# KiCad board output.Panel_R0.5.1_300x300_2layer_step1_Modified.kicad_pcb (continued)
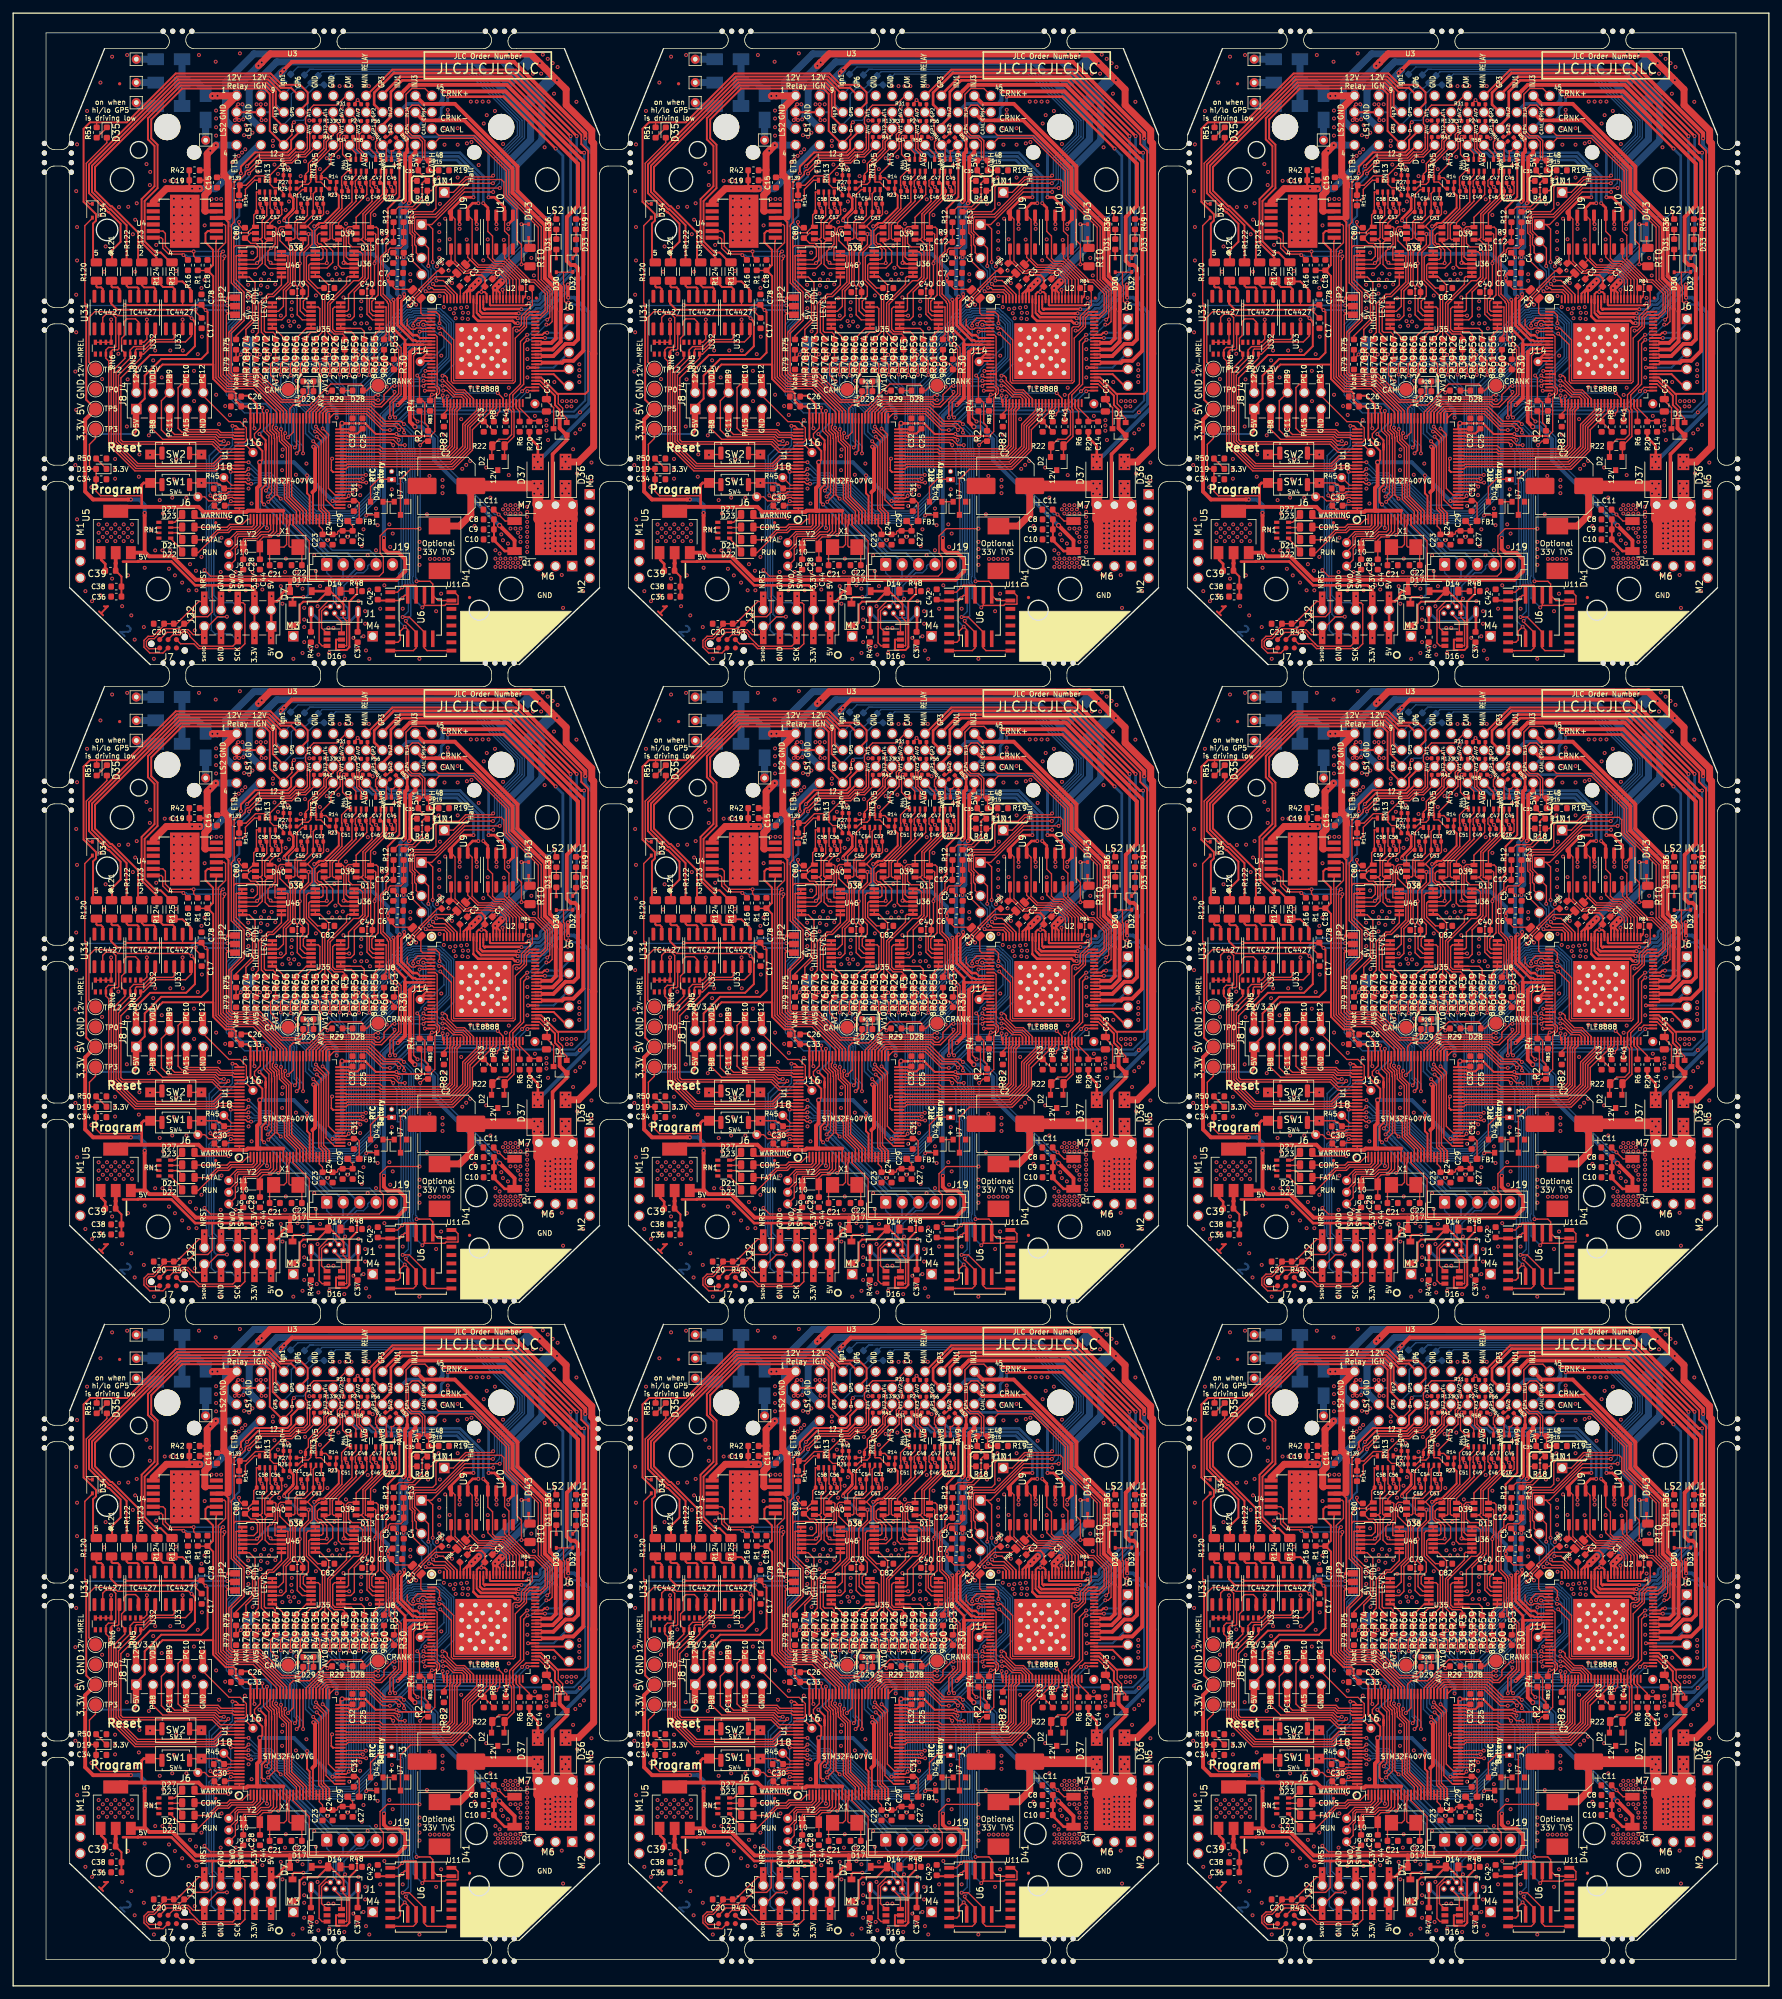
[diagram p0: board, top side]
## Routing (per net, layer and track width the routed paths; a pad name or vN(x,y) marks a point on that pad's centre or on a via; arc(x,y) is an arc through that point) (continued)
/AT1: length 134.4
  Top w0.203: 131.04,278.26 130.78,278.01 ; 216.04,278.26 215.78,278.01 ; 131.04,181.26 130.78,181.01 ; 46.04,181.26 45.78,181.01 ; 216.04,181.26 215.78,181.01 ; 131.04,84.26 130.78,84.01 ; 216.04,84.26 215.78,84.01 ; 46.04,84.26 45.78,84.01 ; 45.78,278.01 46.04,278.26
  Top w0.216: 130.78,278.01 129.9,277.12 129.9,275.95 129.46,275.52 RN3#2.4 129.46,274.36 129.43,274.33 R27#2.1 ; 130.9,284.95 131.01,284.84 132.03,284.84 132.64,284.23 132.64,282.97 132.61,282.94 132.61,281.92 132.99,281.54 132.99,281.34 132.25,280.59 132.25,279.43 131.04,278.26 ; 215.78,278.01 214.9,277.12 214.9,275.95 214.46,275.52 RN3#3.4 214.46,274.36 214.43,274.33 R27#3.1 ; 215.9,284.95 216.01,284.84 217.03,284.84 217.64,284.23 217.64,282.97 217.61,282.94 217.61,281.92 217.99,281.54 217.99,281.34 217.25,280.59 217.25,279.43 216.04,278.26 ; 130.78,181.01 129.9,180.12 129.9,178.95 129.46,178.52 RN3#4.4 129.46,177.36 129.43,177.33 R27#6.1 ; 130.9,187.95 131.01,187.84 132.03,187.84 132.64,187.23 132.64,185.97 132.61,185.94 132.61,184.92 132.99,184.54 132.99,184.34 132.25,183.59 132.25,182.43 131.04,181.26 ; 45.78,181.01 44.9,180.12 44.9,178.95 44.46,178.52 RN3#6.4 44.46,177.36 44.43,177.33 R27#4.1 ; 45.9,187.95 46.01,187.84 47.03,187.84 47.64,187.23 47.64,185.97 47.61,185.94 47.61,184.92 47.99,184.54 47.99,184.34 47.25,183.59 47.25,182.43 46.04,181.26 ; 215.9,187.95 216.01,187.84 217.03,187.84 217.64,187.23 217.64,185.97 217.61,185.94 217.61,184.92 217.99,184.54 217.99,184.34 217.25,183.59 217.25,182.43 216.04,181.26 ; R27#5.1 214.43,177.33 214.46,177.36 RN3#5.4 214.46,178.52 214.9,178.95 214.9,180.12 215.78,181.01 ; 130.78,84.01 129.9,83.12 129.9,81.95 129.46,81.52 RN3#8.4 129.46,80.36 129.43,80.33 R27#9.1 ; 130.9,90.95 131.01,90.84 132.03,90.84 132.64,90.23 132.64,88.97 132.61,88.94 132.61,87.92 132.99,87.54 132.99,87.34 132.25,86.59 132.25,85.43 131.04,84.26 ; 215.9,90.95 216.01,90.84 217.03,90.84 217.64,90.23 217.64,88.97 217.61,88.94 217.61,87.92 217.99,87.54 217.99,87.34 217.25,86.59 217.25,85.43 216.04,84.26 ; R27#8.1 214.43,80.33 214.46,80.36 RN3#7.4 214.46,81.52 214.9,81.95 214.9,83.12 215.78,84.01 ; 45.9,90.95 46.01,90.84 47.03,90.84 47.64,90.23 47.64,88.97 47.61,88.94 47.61,87.92 47.99,87.54 47.99,87.34 47.25,86.59 47.25,85.43 46.04,84.26 ; 45.78,84.01 44.9,83.12 44.9,81.95 44.46,81.52 RN3#9.4 44.46,80.36 44.43,80.33 R27#7.1 ; R27.1 44.43,274.33 44.46,274.36 RN3.4 44.46,275.52 44.9,275.95 44.9,277.12 45.78,278.01 ; 46.04,278.26 47.25,279.43 47.25,280.59 47.99,281.34 47.99,281.54 47.61,281.92 47.61,282.94 47.64,282.97 47.64,284.23 47.03,284.84 46.01,284.84 45.9,284.95
/AT1_MCU: length 264.2
  Top w0.216: U1#2.23 132.09,223.93 131.47,224.54 131.47,234.05 v1(130.63,234.89) ; R67#2.1 R71#2.2 124.16,246.65 124.16,244.94 v1(125.1,244) ; U1#3.23 217.09,223.93 216.47,224.54 216.47,234.05 v1(215.63,234.89) ; R67#3.1 R71#3.2 209.16,246.65 209.16,244.94 v1(210.1,244) ; U1#6.23 132.09,126.93 131.47,127.54 131.47,137.05 v1(130.63,137.89) ; R67#6.1 R71#6.2 124.16,149.65 124.16,147.94 v1(125.1,147) ; U1#4.23 47.09,126.93 46.47,127.54 46.47,137.05 v1(45.63,137.89) ; R67#4.1 R71#4.2 39.16,149.65 39.16,147.94 v1(40.1,147) ; R67#5.1 R71#5.2 209.16,149.65 209.16,147.94 v1(210.1,147) ; v1(215.63,137.89) 216.47,137.05 216.47,127.54 217.09,126.93 U1#5.23 ; R67#8.1 R71#7.2 209.16,52.65 209.16,50.94 v1(210.1,50) ; v1(215.63,40.89) 216.47,40.05 216.47,30.54 217.09,29.93 U1#8.23 ; U1#7.23 47.09,29.93 46.47,30.54 46.47,40.05 v1(45.63,40.89) ; R67#7.1 R71#9.2 39.16,52.65 39.16,50.94 v1(40.1,50) ; U1#9.23 132.09,29.93 131.47,30.54 131.47,40.05 v1(130.63,40.89) ; R67#9.1 R71#8.2 124.16,52.65 124.16,50.94 v1(125.1,50) ; v1(40.1,244) 39.16,244.94 39.16,246.65 R71.2 R67.1 ; v1(45.63,234.89) 46.47,234.05 46.47,224.54 47.09,223.93 U1.23
  Bottom w0.216: v1(130.63,234.89) 129.46,236.06 129.46,239.31 125.1,243.67 v1(125.1,244) ; v1(210.1,244) 210.1,243.67 214.46,239.31 214.46,236.06 v1(215.63,234.89) ; v1(125.1,147) 125.1,146.67 129.46,142.31 129.46,139.06 v1(130.63,137.89) ; v1(45.63,137.89) 44.46,139.06 44.46,142.31 40.1,146.67 v1(40.1,147) ; v1(210.1,147) 210.1,146.67 214.46,142.31 214.46,139.06 v1(215.63,137.89) ; v1(210.1,50) 210.1,49.67 214.46,45.31 214.46,42.06 v1(215.63,40.89) ; v1(45.63,40.89) 44.46,42.06 44.46,45.31 40.1,49.67 v1(40.1,50) ; v1(130.63,40.89) 129.46,42.06 129.46,45.31 125.1,49.67 v1(125.1,50) ; v1(45.63,234.89) 44.46,236.06 44.46,239.31 40.1,243.67 v1(40.1,244)
/AT2: length 108.6
  Top w0.203: 131.66,278.25 131.8,278.39 ; 216.66,278.25 216.8,278.39 ; 131.66,181.25 131.8,181.39 ; 46.66,181.25 46.8,181.39 ; 216.66,181.25 216.8,181.39 ; 131.66,84.25 131.8,84.39 ; 216.66,84.25 216.8,84.39 ; 46.66,84.25 46.8,84.39 ; 46.66,278.25 46.8,278.39
  Top w0.216: 131.8,278.39 132.59,279.25 132.61,279.28 132.61,280.44 133.68,281.51 133.68,282.43 ; R25#2.1 128.39,273.31 129.04,273.96 129.86,273.96 130.26,274.36 RN3#2.3 130.26,275.59 130.26,275.6 130.26,276.86 131.66,278.25 ; 216.8,278.39 217.59,279.25 217.61,279.28 217.61,280.44 218.68,281.51 218.68,282.43 ; R25#3.1 213.39,273.31 214.04,273.96 214.86,273.96 215.26,274.36 RN3#3.3 215.26,275.59 215.26,275.6 215.26,276.86 216.66,278.25 ; 131.8,181.39 132.59,182.25 132.61,182.28 132.61,183.44 133.68,184.51 133.68,185.43 ; R25#6.1 128.39,176.31 129.04,176.96 129.86,176.96 130.26,177.36 RN3#4.3 130.26,178.59 130.26,178.6 130.26,179.86 131.66,181.25 ; 46.8,181.39 47.59,182.25 47.61,182.28 47.61,183.44 48.68,184.51 48.68,185.43 ; R25#4.1 43.39,176.31 44.04,176.96 44.86,176.96 45.26,177.36 RN3#6.3 45.26,178.59 45.26,178.6 45.26,179.86 46.66,181.25 ; R25#5.1 213.39,176.31 214.04,176.96 214.86,176.96 215.26,177.36 RN3#5.3 215.26,178.59 215.26,178.6 215.26,179.86 216.66,181.25 ; 216.8,181.39 217.59,182.25 217.61,182.28 217.61,183.44 218.68,184.51 218.68,185.43 ; 131.8,84.39 132.59,85.25 132.61,85.28 132.61,86.44 133.68,87.51 133.68,88.43 ; R25#9.1 128.39,79.31 129.04,79.96 129.86,79.96 130.26,80.36 RN3#8.3 130.26,81.59 130.26,81.6 130.26,82.86 131.66,84.25 ; R25#7.1 213.39,79.31 214.04,79.96 214.86,79.96 215.26,80.36 RN3#7.3 215.26,81.59 215.26,81.6 215.26,82.86 216.66,84.25 ; 216.8,84.39 217.59,85.25 217.61,85.28 217.61,86.44 218.68,87.51 218.68,88.43 ; 46.8,84.39 47.59,85.25 47.61,85.28 47.61,86.44 48.68,87.51 48.68,88.43 ; 46.66,84.25 45.26,82.86 45.26,81.6 45.26,81.59 RN3#9.3 45.26,80.36 44.86,79.96 44.04,79.96 43.39,79.31 R25#8.1 ; 48.68,282.43 48.68,281.51 47.61,280.44 47.61,279.28 47.59,279.25 46.8,278.39 ; R25.1 43.39,273.31 44.04,273.96 44.86,273.96 45.26,274.36 RN3.3 45.26,275.59 45.26,275.6 45.26,276.86 46.66,278.25
/AT2_MCU: length 262.7
  Top w0.216: v1(125.7,245.03) 125.66,245.07 125.66,246.65 R70#2.2 R66#2.1 ; U1#2.24 132.59,223.95 131.84,224.7 131.84,234.92 v1(131.17,235.59) ; U1#3.24 217.59,223.95 216.84,224.7 216.84,234.92 v1(216.17,235.59) ; v1(210.7,245.03) 210.66,245.07 210.66,246.65 R70#3.2 R66#3.1 ; U1#6.24 132.59,126.95 131.84,127.7 131.84,137.92 v1(131.17,138.59) ; v1(125.7,148.03) 125.66,148.07 125.66,149.65 R70#6.2 R66#6.1 ; v1(40.7,148.03) 40.66,148.07 40.66,149.65 R70#4.2 R66#4.1 ; U1#4.24 47.59,126.95 46.84,127.7 46.84,137.92 v1(46.17,138.59) ; U1#5.24 217.59,126.95 216.84,127.7 216.84,137.92 v1(216.17,138.59) ; v1(210.7,148.03) 210.66,148.07 210.66,149.65 R70#5.2 R66#5.1 ; U1#8.24 217.59,29.95 216.84,30.7 216.84,40.92 v1(216.17,41.59) ; v1(210.7,51.03) 210.66,51.07 210.66,52.65 R70#7.2 R66#7.1 ; v1(40.7,51.03) 40.66,51.07 40.66,52.65 R70#9.2 R66#9.1 ; U1#7.24 47.59,29.95 46.84,30.7 46.84,40.92 v1(46.17,41.59) ; U1#9.24 132.59,29.95 131.84,30.7 131.84,40.92 v1(131.17,41.59) ; v1(125.7,51.03) 125.66,51.07 125.66,52.65 R70#8.2 R66#8.1 ; R66.1 R70.2 40.66,246.65 40.66,245.07 v1(40.7,245.03) ; v1(46.17,235.59) 46.84,234.92 46.84,224.7 47.59,223.95 U1.24
  Bottom w0.216: v1(125.7,245.03) 125.7,243.6 129.98,239.32 129.98,236.36 130.74,235.59 v1(131.17,235.59) ; v1(210.7,245.03) 210.7,243.6 214.98,239.32 214.98,236.36 215.74,235.59 v1(216.17,235.59) ; v1(125.7,148.03) 125.7,146.6 129.98,142.32 129.98,139.36 130.74,138.59 v1(131.17,138.59) ; v1(40.7,148.03) 40.7,146.6 44.98,142.32 44.98,139.36 45.74,138.59 v1(46.17,138.59) ; v1(210.7,148.03) 210.7,146.6 214.98,142.32 214.98,139.36 215.74,138.59 v1(216.17,138.59) ; v1(210.7,51.03) 210.7,49.6 214.98,45.32 214.98,42.36 215.74,41.59 v1(216.17,41.59) ; v1(40.7,51.03) 40.7,49.6 44.98,45.32 44.98,42.36 45.74,41.59 v1(46.17,41.59) ; v1(125.7,51.03) 125.7,49.6 129.98,45.32 129.98,42.36 130.74,41.59 v1(131.17,41.59) ; v1(46.17,235.59) 45.74,235.59 44.98,236.36 44.98,239.32 40.7,243.6 v1(40.7,245.03)
/AT3: length 80.7
  Top w0.216: 133.44,279.87 133.44,279.54 132.31,278.39 132.31,278.38 131.06,277.13 RN3#2.2 131.06,274.36 131.1,274.31 131.8,274.31 132.8,273.31 R23#2.1 ; 218.44,279.87 218.44,279.54 217.31,278.39 217.31,278.38 216.06,277.13 RN3#3.2 216.06,274.36 216.1,274.31 216.8,274.31 217.8,273.31 R23#3.1 ; 133.44,182.87 133.44,182.54 132.31,181.39 132.31,181.38 131.06,180.13 RN3#4.2 131.06,177.36 131.1,177.31 131.8,177.31 132.8,176.31 R23#6.1 ; 48.44,182.87 48.44,182.54 47.31,181.39 47.31,181.38 46.06,180.13 RN3#6.2 46.06,177.36 46.1,177.31 46.8,177.31 47.8,176.31 R23#4.1 ; R23#5.1 217.8,176.31 216.8,177.31 216.1,177.31 216.06,177.36 RN3#5.2 216.06,180.13 217.31,181.38 217.31,181.39 218.44,182.54 218.44,182.87 ; 133.44,85.87 133.44,85.54 132.31,84.39 132.31,84.38 131.06,83.13 RN3#8.2 131.06,80.36 131.1,80.31 131.8,80.31 132.8,79.31 R23#9.1 ; R23#7.1 217.8,79.31 216.8,80.31 216.1,80.31 216.06,80.36 RN3#7.2 216.06,83.13 217.31,84.38 217.31,84.39 218.44,85.54 218.44,85.87 ; 48.44,85.87 48.44,85.54 47.31,84.39 47.31,84.38 46.06,83.13 RN3#9.2 46.06,80.36 46.1,80.31 46.8,80.31 47.8,79.31 R23#8.1 ; 48.44,279.87 48.44,279.54 47.31,278.39 47.31,278.38 46.06,277.13 RN3.2 46.06,274.36 46.1,274.31 46.8,274.31 47.8,273.31 R23.1
/AT3_MCU: length 264
  Top w0.216: U1#2.25 133.09,223.97 132.21,224.85 132.21,235.38 131.21,236.37 v1(130.92,236.37) ; v1(127.25,244.93) 127.16,245.02 127.16,246.66 127.89,247.39 R69#2.2 R65#2.1 ; R65#3.1 R69#3.2 212.89,247.39 212.16,246.66 212.16,245.02 v1(212.25,244.93) ; U1#3.25 218.09,223.97 217.21,224.85 217.21,235.38 216.21,236.37 v1(215.92,236.37) ; R65#6.1 R69#6.2 127.89,150.39 127.16,149.66 127.16,148.02 v1(127.25,147.93) ; U1#6.25 133.09,126.97 132.21,127.85 132.21,138.38 131.21,139.37 v1(130.92,139.37) ; U1#4.25 48.09,126.97 47.21,127.85 47.21,138.38 46.21,139.37 v1(45.92,139.37) ; v1(42.25,147.93) 42.16,148.02 42.16,149.66 42.89,150.39 R69#4.2 R65#4.1 ; U1#5.25 218.09,126.97 217.21,127.85 217.21,138.38 216.21,139.37 v1(215.92,139.37) ; v1(212.25,147.93) 212.16,148.02 212.16,149.66 212.89,150.39 R69#5.2 R65#5.1 ; U1#8.25 218.09,29.97 217.21,30.85 217.21,41.38 216.21,42.37 v1(215.92,42.37) ; v1(212.25,50.93) 212.16,51.02 212.16,52.66 212.89,53.39 R69#8.2 R65#7.1 ; v1(42.25,50.93) 42.16,51.02 42.16,52.66 42.89,53.39 R69#7.2 R65#9.1 ; U1#7.25 48.09,29.97 47.21,30.85 47.21,41.38 46.21,42.37 v1(45.92,42.37) ; v1(127.25,50.93) 127.16,51.02 127.16,52.66 127.89,53.39 R69#9.2 R65#8.1 ; v1(130.92,42.37) 131.21,42.37 132.21,41.38 132.21,30.85 133.09,29.97 U1#9.25 ; v1(42.25,244.93) 42.16,245.02 42.16,246.66 42.89,247.39 R69.2 R65.1 ; v1(45.92,236.37) 46.21,236.37 47.21,235.38 47.21,224.85 48.09,223.97 U1.25
  Bottom w0.216: v1(130.92,236.37) 130.39,236.91 130.39,239.42 126.5,243.31 126.5,244.18 v1(127.25,244.93) ; v1(215.92,236.37) 215.39,236.91 215.39,239.42 211.5,243.31 211.5,244.18 v1(212.25,244.93) ; v1(130.92,139.37) 130.39,139.91 130.39,142.42 126.5,146.31 126.5,147.18 v1(127.25,147.93) ; v1(45.92,139.37) 45.39,139.91 45.39,142.42 41.5,146.31 41.5,147.18 v1(42.25,147.93) ; v1(215.92,139.37) 215.39,139.91 215.39,142.42 211.5,146.31 211.5,147.18 v1(212.25,147.93) ; v1(212.25,50.93) 211.5,50.18 211.5,49.31 215.39,45.42 215.39,42.91 v1(215.92,42.37) ; v1(42.25,50.93) 41.5,50.18 41.5,49.31 45.39,45.42 45.39,42.91 v1(45.92,42.37) ; v1(127.25,50.93) 126.5,50.18 126.5,49.31 130.39,45.42 130.39,42.91 v1(130.92,42.37) ; v1(45.92,236.37) 45.39,236.91 45.39,239.42 41.5,243.31 41.5,244.18 v1(42.25,244.93)
/AT4: length 123.2
  Top w0.216: R14#2.1 132.57,274.97 RN3#2.1 131.86,275.59 133.32,277.06 133.32,278.01 134.73,279.42 134.73,280.44 134.3,280.87 134.3,281.56 134.73,281.99 134.73,282.94 133.44,284.24 133.44,284.95 ; 218.44,284.95 218.44,284.24 219.73,282.94 219.73,281.99 219.3,281.56 219.3,280.87 219.73,280.44 219.73,279.42 218.32,278.01 218.32,277.06 216.86,275.59 RN3#3.1 217.57,274.97 R14#3.1 ; 133.44,187.95 133.44,187.24 134.73,185.94 134.73,184.99 134.3,184.56 134.3,183.87 134.73,183.44 134.73,182.42 133.32,181.01 133.32,180.06 131.86,178.59 RN3#4.1 132.57,177.97 R14#6.1 ; R14#4.1 47.58,177.97 RN3#6.1 46.86,178.59 48.33,180.06 48.33,181.01 49.73,182.42 49.73,183.44 49.3,183.87 49.3,184.56 49.73,184.99 49.73,185.94 48.44,187.24 48.44,187.95 ; 218.44,187.95 218.44,187.24 219.73,185.94 219.73,184.99 219.3,184.56 219.3,183.87 219.73,183.44 219.73,182.42 218.32,181.01 218.32,180.06 216.86,178.59 RN3#5.1 217.57,177.97 R14#5.1 ; R14#9.1 132.57,80.97 RN3#8.1 131.86,81.59 133.32,83.06 133.32,84.01 134.73,85.42 134.73,86.44 134.3,86.87 134.3,87.56 134.73,87.99 134.73,88.94 133.44,90.24 133.44,90.95 ; 218.44,90.95 218.44,90.24 219.73,88.94 219.73,87.99 219.3,87.56 219.3,86.87 219.73,86.44 219.73,85.42 218.32,84.01 218.32,83.06 216.86,81.59 RN3#7.1 217.57,80.97 R14#8.1 ; 48.44,90.95 48.44,90.24 49.73,88.94 49.73,87.99 49.3,87.56 49.3,86.87 49.73,86.44 49.73,85.42 48.33,84.01 48.33,83.06 46.86,81.59 RN3#9.1 47.58,80.97 R14#7.1 ; R14.1 47.58,274.97 RN3.1 46.86,275.59 48.33,277.06 48.33,278.01 49.73,279.42 49.73,280.44 49.3,280.87 49.3,281.56 49.73,281.99 49.73,282.94 48.44,284.24 48.44,284.95
/AT4_MCU: length 259.6
  Top w0.216: R64#2.1 R68#2.2 128.66,246.65 128.66,245.4 128.78,245.28 128.7,245.2 v1(128.7,245) ; v1(131.05,237.12) 131.35,236.82 131.35,236.76 132.58,235.53 132.58,226 133.86,224.72 U1#2.26 ; U1#3.26 218.86,224.72 217.58,226 217.58,235.53 216.35,236.76 216.35,236.82 v1(216.05,237.12) ; v1(213.7,245) 213.7,245.2 213.78,245.28 213.66,245.4 213.66,246.65 R68#3.2 R64#3.1 ; U1#6.26 133.86,127.72 132.58,129 132.58,138.53 131.35,139.76 131.35,139.82 v1(131.05,140.12) ; v1(128.7,148) 128.7,148.2 128.78,148.28 128.66,148.4 128.66,149.65 R68#6.2 R64#6.1 ; R64#4.1 R68#4.2 43.66,149.65 43.66,148.4 43.78,148.28 43.7,148.2 v1(43.7,148) ; v1(46.05,140.12) 46.35,139.82 46.35,139.76 47.58,138.53 47.58,129 48.86,127.72 U1#4.26 ; v1(216.05,140.12) 216.35,139.82 216.35,139.76 217.58,138.53 217.58,129 218.86,127.72 U1#5.26 ; v1(213.7,148) 213.7,148.2 213.78,148.28 213.66,148.4 213.66,149.65 R68#5.2 R64#5.1 ; U1#8.26 218.86,30.72 217.58,32 217.58,41.53 216.35,42.76 216.35,42.82 v1(216.05,43.12) ; R64#8.1 R68#8.2 213.66,52.65 213.66,51.4 213.78,51.28 213.7,51.2 v1(213.7,51) ; v1(43.7,51) 43.7,51.2 43.78,51.28 43.66,51.4 43.66,52.65 R68#7.2 R64#7.1 ; U1#7.26 48.86,30.72 47.58,32 47.58,41.53 46.35,42.76 46.35,42.82 v1(46.05,43.12) ; v1(128.7,51) 128.7,51.2 128.78,51.28 128.66,51.4 128.66,52.65 R68#9.2 R64#9.1 ; v1(131.05,43.12) 131.35,42.82 131.35,42.76 132.58,41.53 132.58,32 133.86,30.72 U1#9.26 ; U1.26 48.86,224.72 47.58,226 47.58,235.53 46.35,236.76 46.35,236.82 v1(46.05,237.12) ; R64.1 R68.2 43.66,246.65 43.66,245.4 43.78,245.28 43.7,245.2 v1(43.7,245)
  Bottom w0.216: v1(128.7,245) 128.14,245 127.51,244.37 127.5,244.37 127.5,242.84 128.42,241.92 131.05,239.29 v1(131.05,237.12) ; v1(213.7,245) 213.14,245 212.51,244.37 212.5,244.37 212.5,242.84 213.42,241.92 216.05,239.29 v1(216.05,237.12) ; v1(128.7,148) 128.14,148 127.51,147.37 127.5,147.37 127.5,145.84 128.42,144.92 131.05,142.29 v1(131.05,140.12) ; v1(43.7,148) 43.14,148 42.51,147.37 42.5,147.37 42.5,145.84 43.42,144.92 46.05,142.29 v1(46.05,140.12) ; v1(213.7,148) 213.14,148 212.51,147.37 212.5,147.37 212.5,145.84 213.42,144.92 216.05,142.29 v1(216.05,140.12) ; v1(213.7,51) 213.14,51 212.51,50.37 212.5,50.37 212.5,48.84 213.42,47.92 216.05,45.29 v1(216.05,43.12) ; v1(43.7,51) 43.14,51 42.51,50.37 42.5,50.37 42.5,48.84 43.42,47.92 46.05,45.29 v1(46.05,43.12) ; v1(128.7,51) 128.14,51 127.51,50.37 127.5,50.37 127.5,48.84 128.42,47.92 131.05,45.29 v1(131.05,43.12) ; v1(43.7,245) 43.14,245 42.51,244.37 42.5,244.37 42.5,242.84 43.42,241.92 46.05,239.29 v1(46.05,237.12)
/CAM_MCU: length 634.6
  Top w0.216: 118.55,264.35 118.55,265.85 119.3,266.6 120.64,266.6 121.55,267.51 D40#2.4 121.59,267.77 121.59,269.3 C59#2.1 122.04,270.08 122,270.12 122,272.78 122.01,272.79 RN13#2.5 ; 118.55,264.35 118.83,264.63 121.67,264.63 122.15,264.14 122.15,263.02 121.6,262.47 U46#2.3 ; 118.55,264.35 118.55,259.13 120.12,257.56 120.12,253.27 118.16,251.31 118.16,245.4 118.45,245.11 122.59,245.11 124.92,242.78 TP2#2.1 127.88,242.78 v1(128.3,243.2) ; U1#2.30 133.96,226.72 132.95,227.73 132.95,235.96 v1(132.07,236.83) ; 203.55,264.35 203.55,265.85 204.3,266.6 205.64,266.6 206.55,267.51 D40#3.4 206.59,267.77 206.59,269.3 C59#3.1 207.04,270.08 207,270.12 207,272.78 207.01,272.79 RN13#3.5 ; 203.55,264.35 203.83,264.63 206.67,264.63 207.15,264.14 207.15,263.02 206.6,262.47 U46#3.3 ; 203.55,264.35 203.55,259.13 205.12,257.56 205.12,253.27 203.16,251.31 203.16,245.4 203.45,245.11 207.59,245.11 209.92,242.78 TP2#3.1 212.88,242.78 v1(213.3,243.2) ; U1#3.30 218.96,226.72 217.95,227.73 217.95,235.96 v1(217.07,236.83) ; 33.55,167.35 33.55,168.85 34.3,169.6 35.64,169.6 36.55,170.51 D40#4.4 36.59,170.77 36.59,172.3 C59#4.1 37.05,173.08 37,173.12 37,175.78 37.01,175.79 RN13#6.5 ; 33.55,167.35 33.83,167.63 36.67,167.63 37.15,167.14 37.15,166.03 36.6,165.47 U46#6.3 ; 33.55,167.35 33.55,162.13 35.12,160.56 35.12,156.27 33.16,154.31 33.16,148.4 33.45,148.11 37.59,148.11 39.92,145.78 TP2#6.1 42.88,145.78 v1(43.3,146.2) ; U1#4.30 48.96,129.72 47.95,130.73 47.95,138.96 v1(47.07,139.83) ; 118.55,167.35 118.55,168.85 119.3,169.6 120.64,169.6 121.55,170.51 D40#6.4 121.59,170.77 121.59,172.3 C59#6.1 122.04,173.08 122,173.12 122,175.78 122.01,175.79 RN13#4.5 ; 118.55,167.35 118.83,167.63 121.67,167.63 122.15,167.14 122.15,166.03 121.6,165.47 U46#4.3 ; 118.55,167.35 118.55,162.13 120.12,160.56 120.12,156.27 118.16,154.31 118.16,148.4 118.45,148.11 122.59,148.11 124.92,145.78 TP2#4.1 127.88,145.78 v1(128.3,146.2) ; U1#6.30 133.96,129.72 132.95,130.73 132.95,138.96 v1(132.07,139.83) ; U1#5.30 218.96,129.72 217.95,130.73 217.95,138.96 v1(217.07,139.83) ; 203.55,167.35 203.55,168.85 204.3,169.6 205.64,169.6 206.55,170.51 D40#5.4 206.59,170.77 206.59,172.3 C59#5.1 207.04,173.08 207,173.12 207,175.78 207.01,175.79 RN13#5.5 ; 203.55,167.35 203.83,167.63 206.67,167.63 207.15,167.14 207.15,166.03 206.6,165.47 U46#5.3 ; 203.55,167.35 203.55,162.13 205.12,160.56 205.12,156.27 203.16,154.31 203.16,148.4 203.45,148.11 207.59,148.11 209.92,145.78 TP2#5.1 212.88,145.78 v1(213.3,146.2) ; 118.55,70.35 118.55,71.85 119.3,72.6 120.64,72.6 121.55,73.51 D40#9.4 121.59,73.77 121.59,75.3 C59#9.1 122.04,76.08 122,76.12 122,78.78 122.01,78.79 RN13#8.5 ; 118.55,70.35 118.83,70.63 121.67,70.63 122.15,70.14 122.15,69.02 121.6,68.47 U46#8.3 ; 118.55,70.35 118.55,65.13 120.12,63.56 120.12,59.27 118.16,57.31 118.16,51.4 118.45,51.11 122.59,51.11 124.92,48.78 TP2#8.1 127.88,48.78 v1(128.3,49.2) ; U1#9.30 133.96,32.72 132.95,33.73 132.95,41.96 v1(132.07,42.83) ; U1#8.30 218.96,32.72 217.95,33.73 217.95,41.96 v1(217.07,42.83) ; v1(213.3,49.2) 212.88,48.78 TP2#7.1 209.92,48.78 207.59,51.11 203.45,51.11 203.16,51.4 203.16,57.31 205.12,59.27 205.12,63.56 203.55,65.13 203.55,70.35 ; 203.55,70.35 203.55,71.85 204.3,72.6 205.64,72.6 206.55,73.51 D40#8.4 206.59,73.77 206.59,75.3 C59#7.1 207.04,76.08 207,76.12 207,78.78 207.01,78.79 RN13#7.5 ; 203.55,70.35 203.83,70.63 206.67,70.63 207.15,70.14 207.15,69.02 206.6,68.47 U46#7.3 ; RN13#9.5 37.01,78.79 37,78.78 37,76.12 37.05,76.08 C59#8.1 36.59,75.3 36.59,73.77 D40#7.4 36.55,73.51 35.64,72.6 34.3,72.6 33.55,71.85 33.55,70.35 ; U1#7.30 48.96,32.72 47.95,33.73 47.95,41.96 v1(47.07,42.83) ; 33.55,70.35 33.55,65.13 35.12,63.56 35.12,59.27 33.16,57.31 33.16,51.4 33.45,51.11 37.59,51.11 39.92,48.78 TP2#9.1 42.88,48.78 v1(43.3,49.2) ; 33.55,70.35 33.83,70.63 36.67,70.63 37.15,70.14 37.15,69.02 36.6,68.47 U46#9.3 ; U1.30 48.96,226.72 47.95,227.73 47.95,235.96 v1(47.07,236.83) ; v1(43.3,243.2) 42.88,242.78 TP2.1 39.92,242.78 37.59,245.11 33.45,245.11 33.16,245.4 33.16,251.31 35.12,253.27 35.12,257.56 33.55,259.13 33.55,264.35 ; 33.55,264.35 33.83,264.63 36.67,264.63 37.15,264.14 37.15,263.02 36.6,262.47 U46.3 ; 33.55,264.35 33.55,265.85 34.3,266.6 35.64,266.6 36.55,267.51 D40.4 36.59,267.77 36.59,269.3 C59.1 37.05,270.08 37,270.12 37,272.78 37.01,272.79 RN13.5
  Bottom w0.216: v1(128.3,243.2) 128.3,242.78 132.07,239 v1(132.07,236.83) ; v1(213.3,243.2) 213.3,242.78 217.07,239 v1(217.07,236.83) ; v1(43.3,146.2) 43.3,145.78 47.07,142 v1(47.07,139.83) ; v1(128.3,146.2) 128.3,145.78 132.07,142 v1(132.07,139.83) ; v1(213.3,146.2) 213.3,145.78 217.07,142 v1(217.07,139.83) ; v1(128.3,49.2) 128.3,48.78 132.07,45 v1(132.07,42.83) ; v1(213.3,49.2) 213.3,48.78 217.07,45 v1(217.07,42.83) ; v1(43.3,49.2) 43.3,48.78 47.07,45 v1(47.07,42.83) ; v1(43.3,243.2) 43.3,242.78 47.07,239 v1(47.07,236.83)
/CAM_SENSOR: length 694.3
  Top w0.216: R28#2.1 129.1,242.03 128.28,241.21 125.89,241.21 122.36,244.74 118.3,244.74 117.8,245.24 117.8,251.46 119.76,253.42 119.76,257.4 118.18,258.98 118.18,267.78 118.6,268.2 118.59,271.53 ; 118.59,271.53 119.94,271.53 120.32,271.92 120.32,273.2 121.72,274.59 RN13#2.4 ; 118.59,271.53 118.6,273.36 118.6,273.37 118.6,274.27 118.6,274.34 118.93,274.66 119.43,274.66 120.32,275.55 120.32,275.87 120.61,276.15 120.84,276.15 122.64,277.96 127.06,277.96 127.98,278.87 129.18,278.87 129.73,279.42 129.73,281.09 129.72,281.11 129.72,281.91 129.73,281.92 129.73,282.94 129.46,283.21 129.46,284.15 129.73,284.42 129.73,285.05 130.7,286.01 134.21,286.01 135.63,287.43 136.18,287.43 ; R28#3.1 214.1,242.03 213.28,241.21 210.89,241.21 207.36,244.74 203.3,244.74 202.8,245.24 202.8,251.46 204.76,253.42 204.76,257.4 203.18,258.98 203.18,267.78 203.6,268.2 203.59,271.53 ; 221.18,287.43 220.63,287.43 219.21,286.01 215.7,286.01 214.73,285.05 214.73,284.42 214.46,284.15 214.46,283.21 214.73,282.94 214.73,281.92 214.72,281.91 214.72,281.11 214.73,281.09 214.73,279.42 214.18,278.87 212.98,278.87 212.06,277.96 207.64,277.96 205.84,276.15 205.61,276.15 205.32,275.87 205.32,275.55 204.43,274.66 203.93,274.66 203.6,274.34 203.6,273.37 203.6,273.36 203.59,271.53 ; 203.59,271.53 204.94,271.53 205.32,271.92 205.32,273.2 206.72,274.59 RN13#3.4 ; R28#5.1 214.1,145.03 213.28,144.21 210.89,144.21 207.36,147.74 203.3,147.74 202.8,148.24 202.8,154.46 204.76,156.42 204.76,160.4 203.18,161.98 203.18,170.78 203.6,171.2 203.59,174.53 ; 221.18,190.43 220.63,190.43 219.21,189.01 215.7,189.01 214.73,188.05 214.73,187.42 214.46,187.15 214.46,186.21 214.73,185.94 214.73,184.92 214.72,184.91 214.72,184.11 214.73,184.09 214.73,182.42 214.18,181.87 212.98,181.87 212.06,180.96 207.64,180.96 205.84,179.15 205.61,179.15 205.32,178.87 205.32,178.55 204.43,177.66 203.93,177.66 203.6,177.34 203.6,176.37 203.6,176.36 203.59,174.53 ; 203.59,174.53 204.94,174.53 205.32,174.91 205.32,176.2 206.72,177.59 207.47,177.59 ; R28#4.1 44.1,145.03 43.28,144.21 40.89,144.21 37.36,147.74 33.3,147.74 32.8,148.24 32.8,154.46 34.76,156.42 34.76,160.4 33.18,161.98 33.18,170.78 33.6,171.2 33.59,174.53 ; 33.59,174.53 34.94,174.53 35.32,174.91 35.32,176.2 36.72,177.59 37.47,177.59 ; 33.59,174.53 33.6,176.36 33.6,176.37 33.6,177.27 33.6,177.34 33.93,177.66 34.43,177.66 35.32,178.55 35.32,178.87 35.61,179.15 35.84,179.15 37.64,180.96 42.06,180.96 42.98,181.87 44.18,181.87 44.73,182.42 44.73,184.09 44.72,184.11 44.72,184.91 44.73,184.92 44.73,185.94 44.46,186.21 44.46,187.15 44.73,187.42 44.73,188.05 45.7,189.01 49.21,189.01 50.63,190.43 51.18,190.43 ; R28#6.1 129.1,145.03 128.28,144.21 125.89,144.21 122.36,147.74 118.3,147.74 117.8,148.24 117.8,154.46 119.76,156.42 119.76,160.4 118.18,161.98 118.18,170.78 118.6,171.2 118.59,174.53 ; 136.18,190.43 135.63,190.43 134.21,189.01 130.7,189.01 129.73,188.05 129.73,187.42 129.46,187.15 129.46,186.21 129.73,185.94 129.73,184.92 129.72,184.91 129.72,184.11 129.73,184.09 129.73,182.42 129.18,181.87 127.98,181.87 127.06,180.96 122.64,180.96 120.84,179.15 120.61,179.15 120.32,178.87 120.32,178.55 119.43,177.66 118.93,177.66 118.6,177.34 118.6,176.37 118.6,176.36 118.59,174.53 ; 118.59,174.53 119.94,174.53 120.32,174.91 120.32,176.2 121.72,177.59 122.47,177.59 ; R28#7.1 44.1,48.02 43.28,47.21 40.89,47.21 37.36,50.74 33.3,50.74 32.8,51.24 32.8,57.46 34.76,59.42 34.76,63.4 33.18,64.98 33.18,73.78 33.6,74.2 33.59,77.53 ; 37.47,80.59 36.72,80.59 35.32,79.2 35.32,77.92 34.94,77.53 33.59,77.53 ; 51.18,93.43 50.63,93.43 49.21,92.01 45.7,92.01 44.73,91.05 44.73,90.42 44.46,90.15 44.46,89.21 44.73,88.94 44.73,87.92 44.72,87.91 44.72,87.11 44.73,87.09 44.73,85.42 44.18,84.87 42.98,84.87 42.06,83.96 37.64,83.96 35.84,82.15 35.61,82.15 35.32,81.87 35.32,81.55 34.43,80.66 33.93,80.66 33.6,80.34 33.6,79.37 33.6,79.36 33.59,77.53 ; 136.18,93.43 135.63,93.43 134.21,92.01 130.7,92.01 129.73,91.05 129.73,90.42 129.46,90.15 129.46,89.21 129.73,88.94 129.73,87.92 129.72,87.91 129.72,87.11 129.73,87.09 129.73,85.42 129.18,84.87 127.98,84.87 127.06,83.96 122.64,83.96 120.84,82.15 120.61,82.15 120.32,81.87 120.32,81.55 119.43,80.66 118.93,80.66 118.6,80.34 118.6,79.37 118.6,79.36 118.59,77.53 ; R28#9.1 129.1,48.02 128.28,47.21 125.89,47.21 122.36,50.74 118.3,50.74 117.8,51.24 117.8,57.46 119.76,59.42 119.76,63.4 118.18,64.98 118.18,73.78 118.6,74.2 118.59,77.53 ; 118.59,77.53 119.94,77.53 120.32,77.92 120.32,79.2 121.72,80.59 122.47,80.59 ; 221.18,93.43 220.63,93.43 219.21,92.01 215.7,92.01 214.73,91.05 214.73,90.42 214.46,90.15 214.46,89.21 214.73,88.94 214.73,87.92 214.72,87.91 214.72,87.11 214.73,87.09 214.73,85.42 214.18,84.87 212.98,84.87 212.06,83.96 207.64,83.96 205.84,82.15 205.61,82.15 205.32,81.87 205.32,81.55 204.43,80.66 203.93,80.66 203.6,80.34 203.6,79.37 203.6,79.36 203.59,77.53 ; R28#8.1 214.1,48.02 213.28,47.21 210.89,47.21 207.36,50.74 203.3,50.74 202.8,51.24 202.8,57.46 204.76,59.42 204.76,63.4 203.18,64.98 203.18,73.78 203.6,74.2 203.59,77.53 ; 203.59,77.53 204.94,77.53 205.32,77.92 205.32,79.2 206.72,80.59 207.47,80.59 ; R28.1 44.1,242.03 43.28,241.21 40.89,241.21 37.36,244.74 33.3,244.74 32.8,245.24 32.8,251.46 34.76,253.42 34.76,257.4 33.18,258.98 33.18,267.78 33.6,268.2 33.59,271.53 ; RN13.4 36.72,274.59 35.32,273.2 35.32,271.92 34.94,271.53 33.59,271.53 ; 33.59,271.53 33.6,273.36 33.6,273.37 33.6,274.27 33.6,274.34 33.93,274.66 34.43,274.66 35.32,275.55 35.32,275.87 35.61,276.15 35.84,276.15 37.64,277.96 42.06,277.96 42.98,278.87 44.18,278.87 44.73,279.42 44.73,281.09 44.72,281.11 44.72,281.91 44.73,281.92 44.73,282.94 44.46,283.21 44.46,284.15 44.73,284.42 44.73,285.05 45.7,286.01 49.21,286.01 50.63,287.43 51.18,287.43